# KiCad board PANEL_DRY_ELEC_6CH_THIN.kicad_pcb (continued)
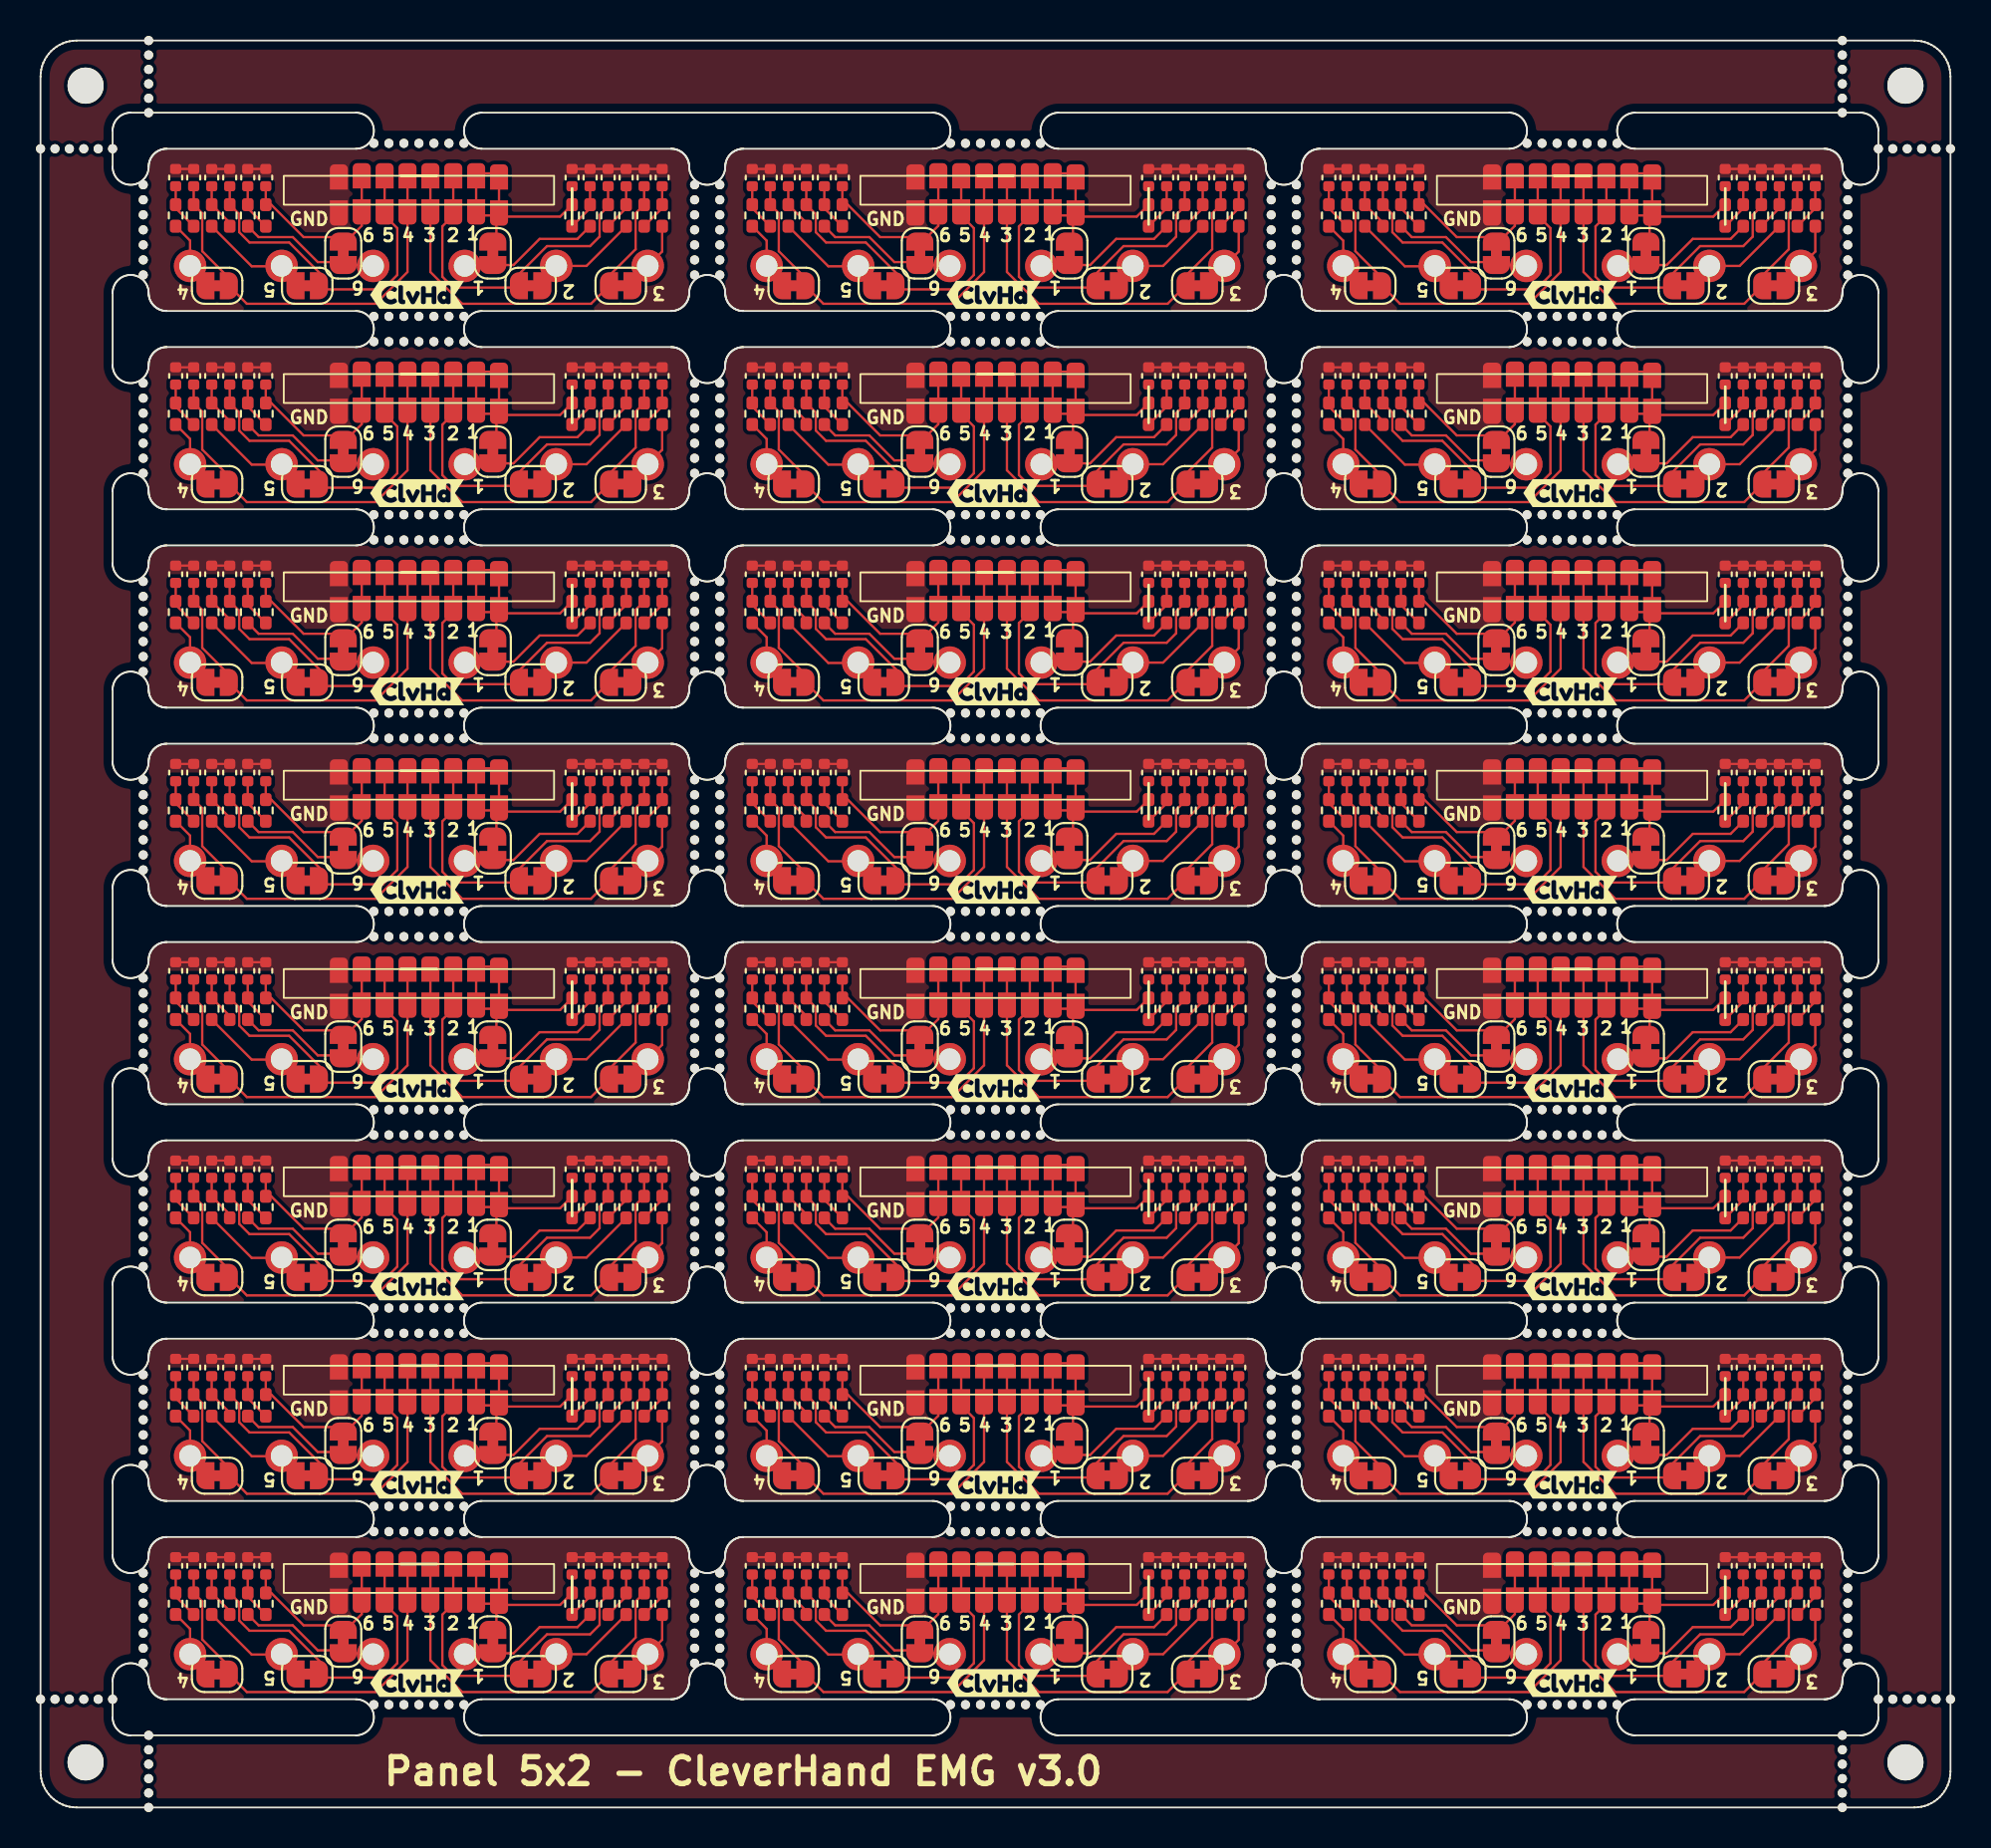
[diagram p0: board, top side]
## Placement (name value [footprint] x y rotation side) (continued)
J22#11  Conn_01x01_Pin  [Pin_D1.2mm_pogo]  50.46 63.5 0 top
J22#12  Conn_01x01_Pin  [Pin_D1.2mm_pogo]  82.46 19.5 0 top
J22#13  Conn_01x01_Pin  [Pin_D1.2mm_pogo]  50.46 52.5 0 top
J22#14  Conn_01x01_Pin  [Pin_D1.2mm_pogo]  50.46 74.5 0 top
J22#15  Conn_01x01_Pin  [Pin_D1.2mm_pogo]  82.46 8.5 0 top
J22#16  Conn_01x01_Pin  [Pin_D1.2mm_pogo]  82.46 30.5 0 top
J22#17  Conn_01x01_Pin  [Pin_D1.2mm_pogo]  50.46 8.5 0 top
J22#18  Conn_01x01_Pin  [Pin_D1.2mm_pogo]  82.46 41.5 0 top
J22#19  Conn_01x01_Pin  [Pin_D1.2mm_pogo]  50.46 41.5 0 top
J22#20  Conn_01x01_Pin  [Pin_D1.2mm_pogo]  18.46 74.5 0 top
J22#21  Conn_01x01_Pin  [Pin_D1.2mm_pogo]  82.46 63.5 0 top
J22#22  Conn_01x01_Pin  [Pin_D1.2mm_pogo]  18.46 19.5 0 top
J22#23  Conn_01x01_Pin  [Pin_D1.2mm_pogo]  18.46 41.5 0 top
J22#24  Conn_01x01_Pin  [Pin_D1.2mm_pogo]  82.46 74.5 0 top
JP1  SolderJumper_2_Bridged  [SolderJumper-2_P1.3mm_Bridged_RoundedPad1.0x1.5mm]  89.1 9.2 90 top
JP1#2  SolderJumper_2_Bridged  [SolderJumper-2_P1.3mm_Bridged_RoundedPad1.0x1.5mm]  89.1 75.2 90 top
JP1#3  SolderJumper_2_Bridged  [SolderJumper-2_P1.3mm_Bridged_RoundedPad1.0x1.5mm]  57.1 20.2 90 top
JP1#4  SolderJumper_2_Bridged  [SolderJumper-2_P1.3mm_Bridged_RoundedPad1.0x1.5mm]  25.1 9.2 90 top
JP1#5  SolderJumper_2_Bridged  [SolderJumper-2_P1.3mm_Bridged_RoundedPad1.0x1.5mm]  57.1 75.2 90 top
JP1#6  SolderJumper_2_Bridged  [SolderJumper-2_P1.3mm_Bridged_RoundedPad1.0x1.5mm]  89.1 31.2 90 top
JP1#7  SolderJumper_2_Bridged  [SolderJumper-2_P1.3mm_Bridged_RoundedPad1.0x1.5mm]  89.1 20.2 90 top
JP1#8  SolderJumper_2_Bridged  [SolderJumper-2_P1.3mm_Bridged_RoundedPad1.0x1.5mm]  89.1 86.2 90 top
JP1#9  SolderJumper_2_Bridged  [SolderJumper-2_P1.3mm_Bridged_RoundedPad1.0x1.5mm]  57.1 86.2 90 top
JP1#10  SolderJumper_2_Bridged  [SolderJumper-2_P1.3mm_Bridged_RoundedPad1.0x1.5mm]  57.1 31.2 90 top
JP1#11  SolderJumper_2_Bridged  [SolderJumper-2_P1.3mm_Bridged_RoundedPad1.0x1.5mm]  25.1 64.2 90 top
JP1#12  SolderJumper_2_Bridged  [SolderJumper-2_P1.3mm_Bridged_RoundedPad1.0x1.5mm]  89.1 64.2 90 top
JP1#13  SolderJumper_2_Bridged  [SolderJumper-2_P1.3mm_Bridged_RoundedPad1.0x1.5mm]  89.1 53.2 90 top
JP1#14  SolderJumper_2_Bridged  [SolderJumper-2_P1.3mm_Bridged_RoundedPad1.0x1.5mm]  25.1 86.2 90 top
JP1#15  SolderJumper_2_Bridged  [SolderJumper-2_P1.3mm_Bridged_RoundedPad1.0x1.5mm]  57.1 42.2 90 top
JP1#16  SolderJumper_2_Bridged  [SolderJumper-2_P1.3mm_Bridged_RoundedPad1.0x1.5mm]  89.1 42.2 90 top
JP1#17  SolderJumper_2_Bridged  [SolderJumper-2_P1.3mm_Bridged_RoundedPad1.0x1.5mm]  57.1 9.2 90 top
JP1#18  SolderJumper_2_Bridged  [SolderJumper-2_P1.3mm_Bridged_RoundedPad1.0x1.5mm]  25.1 20.2 90 top
JP1#19  SolderJumper_2_Bridged  [SolderJumper-2_P1.3mm_Bridged_RoundedPad1.0x1.5mm]  25.1 31.2 90 top
JP1#20  SolderJumper_2_Bridged  [SolderJumper-2_P1.3mm_Bridged_RoundedPad1.0x1.5mm]  25.1 75.2 90 top
JP1#21  SolderJumper_2_Bridged  [SolderJumper-2_P1.3mm_Bridged_RoundedPad1.0x1.5mm]  57.1 64.2 90 top
JP1#22  SolderJumper_2_Bridged  [SolderJumper-2_P1.3mm_Bridged_RoundedPad1.0x1.5mm]  25.1 53.2 90 top
JP1#23  SolderJumper_2_Bridged  [SolderJumper-2_P1.3mm_Bridged_RoundedPad1.0x1.5mm]  25.1 42.2 90 top
JP1#24  SolderJumper_2_Bridged  [SolderJumper-2_P1.3mm_Bridged_RoundedPad1.0x1.5mm]  57.1 53.2 90 top
JP2  SolderJumper_2_Bridged  [SolderJumper-2_P1.3mm_Bridged_RoundedPad1.0x1.5mm]  59.2 73.4 180 top
JP2#2  SolderJumper_2_Bridged  [SolderJumper-2_P1.3mm_Bridged_RoundedPad1.0x1.5mm]  91.2 51.4 180 top
JP2#3  SolderJumper_2_Bridged  [SolderJumper-2_P1.3mm_Bridged_RoundedPad1.0x1.5mm]  59.2 62.4 180 top
JP2#4  SolderJumper_2_Bridged  [SolderJumper-2_P1.3mm_Bridged_RoundedPad1.0x1.5mm]  27.2 40.4 180 top
JP2#5  SolderJumper_2_Bridged  [SolderJumper-2_P1.3mm_Bridged_RoundedPad1.0x1.5mm]  91.2 84.4 180 top
JP2#6  SolderJumper_2_Bridged  [SolderJumper-2_P1.3mm_Bridged_RoundedPad1.0x1.5mm]  27.2 84.4 180 top
JP2#7  SolderJumper_2_Bridged  [SolderJumper-2_P1.3mm_Bridged_RoundedPad1.0x1.5mm]  59.2 29.4 180 top
JP2#8  SolderJumper_2_Bridged  [SolderJumper-2_P1.3mm_Bridged_RoundedPad1.0x1.5mm]  59.2 18.4 180 top
JP2#9  SolderJumper_2_Bridged  [SolderJumper-2_P1.3mm_Bridged_RoundedPad1.0x1.5mm]  27.2 7.4 180 top
JP2#10  SolderJumper_2_Bridged  [SolderJumper-2_P1.3mm_Bridged_RoundedPad1.0x1.5mm]  59.2 51.4 180 top
JP2#11  SolderJumper_2_Bridged  [SolderJumper-2_P1.3mm_Bridged_RoundedPad1.0x1.5mm]  91.2 18.4 180 top
JP2#12  SolderJumper_2_Bridged  [SolderJumper-2_P1.3mm_Bridged_RoundedPad1.0x1.5mm]  27.2 51.4 180 top
JP2#13  SolderJumper_2_Bridged  [SolderJumper-2_P1.3mm_Bridged_RoundedPad1.0x1.5mm]  91.2 40.4 180 top
JP2#14  SolderJumper_2_Bridged  [SolderJumper-2_P1.3mm_Bridged_RoundedPad1.0x1.5mm]  59.2 7.4 180 top
JP2#15  SolderJumper_2_Bridged  [SolderJumper-2_P1.3mm_Bridged_RoundedPad1.0x1.5mm]  27.2 62.4 180 top
JP2#16  SolderJumper_2_Bridged  [SolderJumper-2_P1.3mm_Bridged_RoundedPad1.0x1.5mm]  27.2 29.4 180 top
JP2#17  SolderJumper_2_Bridged  [SolderJumper-2_P1.3mm_Bridged_RoundedPad1.0x1.5mm]  27.2 18.4 180 top
JP2#18  SolderJumper_2_Bridged  [SolderJumper-2_P1.3mm_Bridged_RoundedPad1.0x1.5mm]  59.2 84.4 180 top
JP2#19  SolderJumper_2_Bridged  [SolderJumper-2_P1.3mm_Bridged_RoundedPad1.0x1.5mm]  91.2 29.4 180 top
JP2#20  SolderJumper_2_Bridged  [SolderJumper-2_P1.3mm_Bridged_RoundedPad1.0x1.5mm]  91.2 7.4 180 top
JP2#21  SolderJumper_2_Bridged  [SolderJumper-2_P1.3mm_Bridged_RoundedPad1.0x1.5mm]  91.2 62.4 180 top
JP2#22  SolderJumper_2_Bridged  [SolderJumper-2_P1.3mm_Bridged_RoundedPad1.0x1.5mm]  27.2 73.4 180 top
JP2#23  SolderJumper_2_Bridged  [SolderJumper-2_P1.3mm_Bridged_RoundedPad1.0x1.5mm]  59.2 40.4 180 top
JP2#24  SolderJumper_2_Bridged  [SolderJumper-2_P1.3mm_Bridged_RoundedPad1.0x1.5mm]  91.2 73.4 180 top
JP3  SolderJumper_2_Bridged  [SolderJumper-2_P1.3mm_Bridged_RoundedPad1.0x1.5mm]  64.2 84.4 180 top
JP3#2  SolderJumper_2_Bridged  [SolderJumper-2_P1.3mm_Bridged_RoundedPad1.0x1.5mm]  64.2 73.4 180 top
JP3#3  SolderJumper_2_Bridged  [SolderJumper-2_P1.3mm_Bridged_RoundedPad1.0x1.5mm]  64.2 7.4 180 top
JP3#4  SolderJumper_2_Bridged  [SolderJumper-2_P1.3mm_Bridged_RoundedPad1.0x1.5mm]  96.2 51.4 180 top
JP3#5  SolderJumper_2_Bridged  [SolderJumper-2_P1.3mm_Bridged_RoundedPad1.0x1.5mm]  32.2 18.4 180 top
JP3#6  SolderJumper_2_Bridged  [SolderJumper-2_P1.3mm_Bridged_RoundedPad1.0x1.5mm]  32.2 84.4 180 top
JP3#7  SolderJumper_2_Bridged  [SolderJumper-2_P1.3mm_Bridged_RoundedPad1.0x1.5mm]  96.2 62.4 180 top
JP3#8  SolderJumper_2_Bridged  [SolderJumper-2_P1.3mm_Bridged_RoundedPad1.0x1.5mm]  96.2 29.4 180 top
JP3#9  SolderJumper_2_Bridged  [SolderJumper-2_P1.3mm_Bridged_RoundedPad1.0x1.5mm]  32.2 7.4 180 top
JP3#10  SolderJumper_2_Bridged  [SolderJumper-2_P1.3mm_Bridged_RoundedPad1.0x1.5mm]  96.2 18.4 180 top
JP3#11  SolderJumper_2_Bridged  [SolderJumper-2_P1.3mm_Bridged_RoundedPad1.0x1.5mm]  96.2 84.4 180 top
JP3#12  SolderJumper_2_Bridged  [SolderJumper-2_P1.3mm_Bridged_RoundedPad1.0x1.5mm]  96.2 40.4 180 top
JP3#13  SolderJumper_2_Bridged  [SolderJumper-2_P1.3mm_Bridged_RoundedPad1.0x1.5mm]  64.2 62.4 180 top
JP3#14  SolderJumper_2_Bridged  [SolderJumper-2_P1.3mm_Bridged_RoundedPad1.0x1.5mm]  96.2 7.4 180 top
JP3#15  SolderJumper_2_Bridged  [SolderJumper-2_P1.3mm_Bridged_RoundedPad1.0x1.5mm]  64.2 40.4 180 top
JP3#16  SolderJumper_2_Bridged  [SolderJumper-2_P1.3mm_Bridged_RoundedPad1.0x1.5mm]  32.2 40.4 180 top
JP3#17  SolderJumper_2_Bridged  [SolderJumper-2_P1.3mm_Bridged_RoundedPad1.0x1.5mm]  32.2 29.4 180 top
JP3#18  SolderJumper_2_Bridged  [SolderJumper-2_P1.3mm_Bridged_RoundedPad1.0x1.5mm]  64.2 29.4 180 top
JP3#19  SolderJumper_2_Bridged  [SolderJumper-2_P1.3mm_Bridged_RoundedPad1.0x1.5mm]  64.2 18.4 180 top
JP3#20  SolderJumper_2_Bridged  [SolderJumper-2_P1.3mm_Bridged_RoundedPad1.0x1.5mm]  32.2 73.4 180 top
JP3#21  SolderJumper_2_Bridged  [SolderJumper-2_P1.3mm_Bridged_RoundedPad1.0x1.5mm]  32.2 51.4 180 top
JP3#22  SolderJumper_2_Bridged  [SolderJumper-2_P1.3mm_Bridged_RoundedPad1.0x1.5mm]  64.2 51.4 180 top
JP3#23  SolderJumper_2_Bridged  [SolderJumper-2_P1.3mm_Bridged_RoundedPad1.0x1.5mm]  32.2 62.4 180 top
JP3#24  SolderJumper_2_Bridged  [SolderJumper-2_P1.3mm_Bridged_RoundedPad1.0x1.5mm]  96.2 73.4 180 top
JP4  SolderJumper_2_Bridged  [SolderJumper-2_P1.3mm_Bridged_RoundedPad1.0x1.5mm]  73.8 51.4 0 top
JP4#2  SolderJumper_2_Bridged  [SolderJumper-2_P1.3mm_Bridged_RoundedPad1.0x1.5mm]  9.8 73.4 0 top
JP4#3  SolderJumper_2_Bridged  [SolderJumper-2_P1.3mm_Bridged_RoundedPad1.0x1.5mm]  73.8 7.4 0 top
JP4#4  SolderJumper_2_Bridged  [SolderJumper-2_P1.3mm_Bridged_RoundedPad1.0x1.5mm]  41.8 18.4 0 top
JP4#5  SolderJumper_2_Bridged  [SolderJumper-2_P1.3mm_Bridged_RoundedPad1.0x1.5mm]  9.8 62.4 0 top
JP4#6  SolderJumper_2_Bridged  [SolderJumper-2_P1.3mm_Bridged_RoundedPad1.0x1.5mm]  41.8 7.4 0 top
JP4#7  SolderJumper_2_Bridged  [SolderJumper-2_P1.3mm_Bridged_RoundedPad1.0x1.5mm]  73.8 84.4 0 top
JP4#8  SolderJumper_2_Bridged  [SolderJumper-2_P1.3mm_Bridged_RoundedPad1.0x1.5mm]  73.8 40.4 0 top
JP4#9  SolderJumper_2_Bridged  [SolderJumper-2_P1.3mm_Bridged_RoundedPad1.0x1.5mm]  41.8 29.4 0 top
JP4#10  SolderJumper_2_Bridged  [SolderJumper-2_P1.3mm_Bridged_RoundedPad1.0x1.5mm]  73.8 29.4 0 top
JP4#11  SolderJumper_2_Bridged  [SolderJumper-2_P1.3mm_Bridged_RoundedPad1.0x1.5mm]  73.8 73.4 0 top
JP4#12  SolderJumper_2_Bridged  [SolderJumper-2_P1.3mm_Bridged_RoundedPad1.0x1.5mm]  73.8 62.4 0 top
JP4#13  SolderJumper_2_Bridged  [SolderJumper-2_P1.3mm_Bridged_RoundedPad1.0x1.5mm]  41.8 62.4 0 top
JP4#14  SolderJumper_2_Bridged  [SolderJumper-2_P1.3mm_Bridged_RoundedPad1.0x1.5mm]  73.8 18.4 0 top
JP4#15  SolderJumper_2_Bridged  [SolderJumper-2_P1.3mm_Bridged_RoundedPad1.0x1.5mm]  9.8 7.4 0 top
JP4#16  SolderJumper_2_Bridged  [SolderJumper-2_P1.3mm_Bridged_RoundedPad1.0x1.5mm]  9.8 18.4 0 top
JP4#17  SolderJumper_2_Bridged  [SolderJumper-2_P1.3mm_Bridged_RoundedPad1.0x1.5mm]  9.8 84.4 0 top
JP4#18  SolderJumper_2_Bridged  [SolderJumper-2_P1.3mm_Bridged_RoundedPad1.0x1.5mm]  41.8 73.4 0 top
JP4#19  SolderJumper_2_Bridged  [SolderJumper-2_P1.3mm_Bridged_RoundedPad1.0x1.5mm]  41.8 40.4 0 top
JP4#20  SolderJumper_2_Bridged  [SolderJumper-2_P1.3mm_Bridged_RoundedPad1.0x1.5mm]  41.8 51.4 0 top
JP4#21  SolderJumper_2_Bridged  [SolderJumper-2_P1.3mm_Bridged_RoundedPad1.0x1.5mm]  9.8 40.4 0 top
JP4#22  SolderJumper_2_Bridged  [SolderJumper-2_P1.3mm_Bridged_RoundedPad1.0x1.5mm]  41.8 84.4 0 top
JP4#23  SolderJumper_2_Bridged  [SolderJumper-2_P1.3mm_Bridged_RoundedPad1.0x1.5mm]  9.8 51.4 0 top
JP4#24  SolderJumper_2_Bridged  [SolderJumper-2_P1.3mm_Bridged_RoundedPad1.0x1.5mm]  9.8 29.4 0 top
JP5  SolderJumper_2_Bridged  [SolderJumper-2_P1.3mm_Bridged_RoundedPad1.0x1.5mm]  46.8 73.4 0 top
JP5#2  SolderJumper_2_Bridged  [SolderJumper-2_P1.3mm_Bridged_RoundedPad1.0x1.5mm]  78.8 51.4 0 top
JP5#3  SolderJumper_2_Bridged  [SolderJumper-2_P1.3mm_Bridged_RoundedPad1.0x1.5mm]  46.8 62.4 0 top
JP5#4  SolderJumper_2_Bridged  [SolderJumper-2_P1.3mm_Bridged_RoundedPad1.0x1.5mm]  14.8 62.4 0 top
JP5#5  SolderJumper_2_Bridged  [SolderJumper-2_P1.3mm_Bridged_RoundedPad1.0x1.5mm]  14.8 29.4 0 top
JP5#6  SolderJumper_2_Bridged  [SolderJumper-2_P1.3mm_Bridged_RoundedPad1.0x1.5mm]  46.8 29.4 0 top
JP5#7  SolderJumper_2_Bridged  [SolderJumper-2_P1.3mm_Bridged_RoundedPad1.0x1.5mm]  78.8 73.4 0 top
JP5#8  SolderJumper_2_Bridged  [SolderJumper-2_P1.3mm_Bridged_RoundedPad1.0x1.5mm]  78.8 40.4 0 top
JP5#9  SolderJumper_2_Bridged  [SolderJumper-2_P1.3mm_Bridged_RoundedPad1.0x1.5mm]  78.8 62.4 0 top
JP5#10  SolderJumper_2_Bridged  [SolderJumper-2_P1.3mm_Bridged_RoundedPad1.0x1.5mm]  14.8 40.4 0 top
JP5#11  SolderJumper_2_Bridged  [SolderJumper-2_P1.3mm_Bridged_RoundedPad1.0x1.5mm]  46.8 51.4 0 top
JP5#12  SolderJumper_2_Bridged  [SolderJumper-2_P1.3mm_Bridged_RoundedPad1.0x1.5mm]  46.8 18.4 0 top
JP5#13  SolderJumper_2_Bridged  [SolderJumper-2_P1.3mm_Bridged_RoundedPad1.0x1.5mm]  46.8 84.4 0 top
JP5#14  SolderJumper_2_Bridged  [SolderJumper-2_P1.3mm_Bridged_RoundedPad1.0x1.5mm]  14.8 7.4 0 top
JP5#15  SolderJumper_2_Bridged  [SolderJumper-2_P1.3mm_Bridged_RoundedPad1.0x1.5mm]  14.8 18.4 0 top
JP5#16  SolderJumper_2_Bridged  [SolderJumper-2_P1.3mm_Bridged_RoundedPad1.0x1.5mm]  78.8 84.4 0 top
JP5#17  SolderJumper_2_Bridged  [SolderJumper-2_P1.3mm_Bridged_RoundedPad1.0x1.5mm]  46.8 7.4 0 top
JP5#18  SolderJumper_2_Bridged  [SolderJumper-2_P1.3mm_Bridged_RoundedPad1.0x1.5mm]  78.8 29.4 0 top
JP5#19  SolderJumper_2_Bridged  [SolderJumper-2_P1.3mm_Bridged_RoundedPad1.0x1.5mm]  14.8 84.4 0 top
JP5#20  SolderJumper_2_Bridged  [SolderJumper-2_P1.3mm_Bridged_RoundedPad1.0x1.5mm]  78.8 18.4 0 top
JP5#21  SolderJumper_2_Bridged  [SolderJumper-2_P1.3mm_Bridged_RoundedPad1.0x1.5mm]  14.8 73.4 0 top
JP5#22  SolderJumper_2_Bridged  [SolderJumper-2_P1.3mm_Bridged_RoundedPad1.0x1.5mm]  78.8 7.4 0 top
JP5#23  SolderJumper_2_Bridged  [SolderJumper-2_P1.3mm_Bridged_RoundedPad1.0x1.5mm]  14.8 51.4 0 top
JP5#24  SolderJumper_2_Bridged  [SolderJumper-2_P1.3mm_Bridged_RoundedPad1.0x1.5mm]  46.8 40.4 0 top
JP6  SolderJumper_2_Bridged  [SolderJumper-2_P1.3mm_Bridged_RoundedPad1.0x1.5mm]  48.8 53.2 90 top
JP6#2  SolderJumper_2_Bridged  [SolderJumper-2_P1.3mm_Bridged_RoundedPad1.0x1.5mm]  16.8 86.2 90 top
JP6#3  SolderJumper_2_Bridged  [SolderJumper-2_P1.3mm_Bridged_RoundedPad1.0x1.5mm]  48.8 64.2 90 top
JP6#4  SolderJumper_2_Bridged  [SolderJumper-2_P1.3mm_Bridged_RoundedPad1.0x1.5mm]  80.8 75.2 90 top
JP6#5  SolderJumper_2_Bridged  [SolderJumper-2_P1.3mm_Bridged_RoundedPad1.0x1.5mm]  80.8 64.2 90 top
JP6#6  SolderJumper_2_Bridged  [SolderJumper-2_P1.3mm_Bridged_RoundedPad1.0x1.5mm]  80.8 42.2 90 top
JP6#7  SolderJumper_2_Bridged  [SolderJumper-2_P1.3mm_Bridged_RoundedPad1.0x1.5mm]  80.8 53.2 90 top
JP6#8  SolderJumper_2_Bridged  [SolderJumper-2_P1.3mm_Bridged_RoundedPad1.0x1.5mm]  16.8 53.2 90 top
JP6#9  SolderJumper_2_Bridged  [SolderJumper-2_P1.3mm_Bridged_RoundedPad1.0x1.5mm]  80.8 86.2 90 top
JP6#10  SolderJumper_2_Bridged  [SolderJumper-2_P1.3mm_Bridged_RoundedPad1.0x1.5mm]  80.8 31.2 90 top
JP6#11  SolderJumper_2_Bridged  [SolderJumper-2_P1.3mm_Bridged_RoundedPad1.0x1.5mm]  16.8 75.2 90 top
JP6#12  SolderJumper_2_Bridged  [SolderJumper-2_P1.3mm_Bridged_RoundedPad1.0x1.5mm]  48.8 86.2 90 top
JP6#13  SolderJumper_2_Bridged  [SolderJumper-2_P1.3mm_Bridged_RoundedPad1.0x1.5mm]  48.8 31.2 90 top
JP6#14  SolderJumper_2_Bridged  [SolderJumper-2_P1.3mm_Bridged_RoundedPad1.0x1.5mm]  48.8 75.2 90 top
JP6#15  SolderJumper_2_Bridged  [SolderJumper-2_P1.3mm_Bridged_RoundedPad1.0x1.5mm]  16.8 64.2 90 top
JP6#16  SolderJumper_2_Bridged  [SolderJumper-2_P1.3mm_Bridged_RoundedPad1.0x1.5mm]  80.8 9.2 90 top
JP6#17  SolderJumper_2_Bridged  [SolderJumper-2_P1.3mm_Bridged_RoundedPad1.0x1.5mm]  16.8 9.2 90 top
JP6#18  SolderJumper_2_Bridged  [SolderJumper-2_P1.3mm_Bridged_RoundedPad1.0x1.5mm]  16.8 20.2 90 top
JP6#19  SolderJumper_2_Bridged  [SolderJumper-2_P1.3mm_Bridged_RoundedPad1.0x1.5mm]  16.8 31.2 90 top
JP6#20  SolderJumper_2_Bridged  [SolderJumper-2_P1.3mm_Bridged_RoundedPad1.0x1.5mm]  48.8 20.2 90 top
JP6#21  SolderJumper_2_Bridged  [SolderJumper-2_P1.3mm_Bridged_RoundedPad1.0x1.5mm]  48.8 9.2 90 top
JP6#22  SolderJumper_2_Bridged  [SolderJumper-2_P1.3mm_Bridged_RoundedPad1.0x1.5mm]  80.8 20.2 90 top
JP6#23  SolderJumper_2_Bridged  [SolderJumper-2_P1.3mm_Bridged_RoundedPad1.0x1.5mm]  16.8 42.2 90 top
JP6#24  SolderJumper_2_Bridged  [SolderJumper-2_P1.3mm_Bridged_RoundedPad1.0x1.5mm]  48.8 42.2 90 top
kibuzzard-66BB0EE4  G***  [kibuzzard-66BB0EE4]  84.9 28.9 0 top
kibuzzard-66BB0EE4#2  G***  [kibuzzard-66BB0EE4]  52.9 39.9 0 top
kibuzzard-66BB0EE4#3  G***  [kibuzzard-66BB0EE4]  84.9 39.9 0 top
kibuzzard-66BB0EE4#4  G***  [kibuzzard-66BB0EE4]  20.9 39.9 0 top
kibuzzard-66BB0EE4#5  G***  [kibuzzard-66BB0EE4]  84.9 50.9 0 top
kibuzzard-66BB0EE4#6  G***  [kibuzzard-66BB0EE4]  52.9 83.9 0 top
kibuzzard-66BB0EE4#7  G***  [kibuzzard-66BB0EE4]  52.9 17.9 0 top
kibuzzard-66BB0EE4#8  G***  [kibuzzard-66BB0EE4]  20.9 83.9 0 top
kibuzzard-66BB0EE4#9  G***  [kibuzzard-66BB0EE4]  20.9 50.9 0 top
kibuzzard-66BB0EE4#10  G***  [kibuzzard-66BB0EE4]  84.9 61.9 0 top
kibuzzard-66BB0EE4#11  G***  [kibuzzard-66BB0EE4]  84.9 72.9 0 top
kibuzzard-66BB0EE4#12  G***  [kibuzzard-66BB0EE4]  52.9 50.9 0 top
kibuzzard-66BB0EE4#13  G***  [kibuzzard-66BB0EE4]  20.9 17.9 0 top
kibuzzard-66BB0EE4#14  G***  [kibuzzard-66BB0EE4]  52.9 6.9 0 top
kibuzzard-66BB0EE4#15  G***  [kibuzzard-66BB0EE4]  52.9 61.9 0 top
kibuzzard-66BB0EE4#16  G***  [kibuzzard-66BB0EE4]  52.9 72.9 0 top
kibuzzard-66BB0EE4#17  G***  [kibuzzard-66BB0EE4]  20.9 6.9 0 top
kibuzzard-66BB0EE4#18  G***  [kibuzzard-66BB0EE4]  20.9 72.9 0 top
kibuzzard-66BB0EE4#19  G***  [kibuzzard-66BB0EE4]  20.9 28.9 0 top
kibuzzard-66BB0EE4#20  G***  [kibuzzard-66BB0EE4]  84.9 17.9 0 top
kibuzzard-66BB0EE4#21  G***  [kibuzzard-66BB0EE4]  20.9 61.9 0 top
kibuzzard-66BB0EE4#22  G***  [kibuzzard-66BB0EE4]  52.9 28.9 0 top
kibuzzard-66BB0EE4#23  G***  [kibuzzard-66BB0EE4]  84.9 6.9 0 top
kibuzzard-66BB0EE4#24  G***  [kibuzzard-66BB0EE4]  84.9 83.9 0 top
KiKit_MB_1_1  -  [NPTH]  5.7 85 0 top
KiKit_MB_1_2  -  [NPTH]  5.7 85.83 0 top
KiKit_MB_1_3  -  [NPTH]  5.7 86.67 0 top
KiKit_MB_1_4  -  [NPTH]  5.7 87.5 0 top
KiKit_MB_1_5  -  [NPTH]  5.7 88.33 0 top
KiKit_MB_1_6  -  [NPTH]  5.7 89.17 0 top
KiKit_MB_1_7  -  [NPTH]  5.7 90 0 top
KiKit_MB_2_1  -  [NPTH]  36.3 90 0 top
KiKit_MB_2_2  -  [NPTH]  36.3 89.17 0 top
KiKit_MB_2_3  -  [NPTH]  36.3 88.33 0 top
KiKit_MB_2_4  -  [NPTH]  36.3 87.5 0 top
KiKit_MB_2_5  -  [NPTH]  36.3 86.67 0 top
KiKit_MB_2_6  -  [NPTH]  36.3 85.83 0 top
KiKit_MB_2_7  -  [NPTH]  36.3 85 0 top
KiKit_MB_3_1  -  [NPTH]  18.5 92.3 0 top
KiKit_MB_3_2  -  [NPTH]  19.33 92.3 0 top
KiKit_MB_3_3  -  [NPTH]  20.17 92.3 0 top
KiKit_MB_3_4  -  [NPTH]  21 92.3 0 top
KiKit_MB_3_5  -  [NPTH]  21.83 92.3 0 top
KiKit_MB_3_6  -  [NPTH]  22.67 92.3 0 top
KiKit_MB_3_7  -  [NPTH]  23.5 92.3 0 top
KiKit_MB_4_1  -  [NPTH]  23.5 82.7 0 top
KiKit_MB_4_2  -  [NPTH]  22.67 82.7 0 top
KiKit_MB_4_3  -  [NPTH]  21.83 82.7 0 top
KiKit_MB_4_4  -  [NPTH]  21 82.7 0 top
KiKit_MB_4_5  -  [NPTH]  20.17 82.7 0 top
KiKit_MB_4_6  -  [NPTH]  19.33 82.7 0 top
KiKit_MB_4_7  -  [NPTH]  18.5 82.7 0 top
KiKit_MB_5_1  -  [NPTH]  37.7 85 0 top
KiKit_MB_5_2  -  [NPTH]  37.7 85.83 0 top
KiKit_MB_5_3  -  [NPTH]  37.7 86.67 0 top
KiKit_MB_5_4  -  [NPTH]  37.7 87.5 0 top
KiKit_MB_5_5  -  [NPTH]  37.7 88.33 0 top
KiKit_MB_5_6  -  [NPTH]  37.7 89.17 0 top
KiKit_MB_5_7  -  [NPTH]  37.7 90 0 top
KiKit_MB_6_1  -  [NPTH]  68.3 90 0 top
KiKit_MB_6_2  -  [NPTH]  68.3 89.17 0 top
KiKit_MB_6_3  -  [NPTH]  68.3 88.33 0 top
KiKit_MB_6_4  -  [NPTH]  68.3 87.5 0 top
KiKit_MB_6_5  -  [NPTH]  68.3 86.67 0 top
KiKit_MB_6_6  -  [NPTH]  68.3 85.83 0 top
KiKit_MB_6_7  -  [NPTH]  68.3 85 0 top
KiKit_MB_7_1  -  [NPTH]  50.5 92.3 0 top
KiKit_MB_7_2  -  [NPTH]  51.33 92.3 0 top
KiKit_MB_7_3  -  [NPTH]  52.17 92.3 0 top
KiKit_MB_7_4  -  [NPTH]  53 92.3 0 top
KiKit_MB_7_5  -  [NPTH]  53.83 92.3 0 top
KiKit_MB_7_6  -  [NPTH]  54.67 92.3 0 top
KiKit_MB_7_7  -  [NPTH]  55.5 92.3 0 top
KiKit_MB_8_1  -  [NPTH]  55.5 82.7 0 top
KiKit_MB_8_2  -  [NPTH]  54.67 82.7 0 top
KiKit_MB_8_3  -  [NPTH]  53.83 82.7 0 top
KiKit_MB_8_4  -  [NPTH]  53 82.7 0 top
KiKit_MB_8_5  -  [NPTH]  52.17 82.7 0 top
KiKit_MB_8_6  -  [NPTH]  51.33 82.7 0 top
KiKit_MB_8_7  -  [NPTH]  50.5 82.7 0 top
KiKit_MB_9_1  -  [NPTH]  69.7 85 0 top
KiKit_MB_9_2  -  [NPTH]  69.7 85.83 0 top
KiKit_MB_9_3  -  [NPTH]  69.7 86.67 0 top
KiKit_MB_9_4  -  [NPTH]  69.7 87.5 0 top
KiKit_MB_9_5  -  [NPTH]  69.7 88.33 0 top
KiKit_MB_9_6  -  [NPTH]  69.7 89.17 0 top
KiKit_MB_9_7  -  [NPTH]  69.7 90 0 top
KiKit_MB_10_1  -  [NPTH]  100.3 90 0 top
KiKit_MB_10_2  -  [NPTH]  100.3 89.17 0 top
KiKit_MB_10_3  -  [NPTH]  100.3 88.33 0 top
KiKit_MB_10_4  -  [NPTH]  100.3 87.5 0 top
KiKit_MB_10_5  -  [NPTH]  100.3 86.67 0 top
KiKit_MB_10_6  -  [NPTH]  100.3 85.83 0 top
KiKit_MB_10_7  -  [NPTH]  100.3 85 0 top
KiKit_MB_11_1  -  [NPTH]  82.5 92.3 0 top
KiKit_MB_11_2  -  [NPTH]  83.33 92.3 0 top
KiKit_MB_11_3  -  [NPTH]  84.17 92.3 0 top
KiKit_MB_11_4  -  [NPTH]  85 92.3 0 top
KiKit_MB_11_5  -  [NPTH]  85.83 92.3 0 top
KiKit_MB_11_6  -  [NPTH]  86.67 92.3 0 top
KiKit_MB_11_7  -  [NPTH]  87.5 92.3 0 top
KiKit_MB_12_1  -  [NPTH]  87.5 82.7 0 top
KiKit_MB_12_2  -  [NPTH]  86.67 82.7 0 top
KiKit_MB_12_3  -  [NPTH]  85.83 82.7 0 top
KiKit_MB_12_4  -  [NPTH]  85 82.7 0 top
KiKit_MB_12_5  -  [NPTH]  84.17 82.7 0 top
KiKit_MB_12_6  -  [NPTH]  83.33 82.7 0 top
KiKit_MB_12_7  -  [NPTH]  82.5 82.7 0 top
KiKit_MB_13_1  -  [NPTH]  5.7 74 0 top
KiKit_MB_13_2  -  [NPTH]  5.7 74.83 0 top
KiKit_MB_13_3  -  [NPTH]  5.7 75.67 0 top
KiKit_MB_13_4  -  [NPTH]  5.7 76.5 0 top
KiKit_MB_13_5  -  [NPTH]  5.7 77.33 0 top
KiKit_MB_13_6  -  [NPTH]  5.7 78.17 0 top
KiKit_MB_13_7  -  [NPTH]  5.7 79 0 top
KiKit_MB_14_1  -  [NPTH]  36.3 79 0 top
KiKit_MB_14_2  -  [NPTH]  36.3 78.17 0 top
KiKit_MB_14_3  -  [NPTH]  36.3 77.33 0 top
KiKit_MB_14_4  -  [NPTH]  36.3 76.5 0 top
KiKit_MB_14_5  -  [NPTH]  36.3 75.67 0 top
KiKit_MB_14_6  -  [NPTH]  36.3 74.83 0 top
KiKit_MB_14_7  -  [NPTH]  36.3 74 0 top
KiKit_MB_15_1  -  [NPTH]  18.5 81.3 0 top
KiKit_MB_15_2  -  [NPTH]  19.33 81.3 0 top
KiKit_MB_15_3  -  [NPTH]  20.17 81.3 0 top
KiKit_MB_15_4  -  [NPTH]  21 81.3 0 top
KiKit_MB_15_5  -  [NPTH]  21.83 81.3 0 top
KiKit_MB_15_6  -  [NPTH]  22.67 81.3 0 top
KiKit_MB_15_7  -  [NPTH]  23.5 81.3 0 top
KiKit_MB_16_1  -  [NPTH]  23.5 71.7 0 top
KiKit_MB_16_2  -  [NPTH]  22.67 71.7 0 top
KiKit_MB_16_3  -  [NPTH]  21.83 71.7 0 top
KiKit_MB_16_4  -  [NPTH]  21 71.7 0 top
KiKit_MB_16_5  -  [NPTH]  20.17 71.7 0 top
KiKit_MB_16_6  -  [NPTH]  19.33 71.7 0 top
KiKit_MB_16_7  -  [NPTH]  18.5 71.7 0 top
KiKit_MB_17_1  -  [NPTH]  37.7 74 0 top
KiKit_MB_17_2  -  [NPTH]  37.7 74.83 0 top
KiKit_MB_17_3  -  [NPTH]  37.7 75.67 0 top
KiKit_MB_17_4  -  [NPTH]  37.7 76.5 0 top
KiKit_MB_17_5  -  [NPTH]  37.7 77.33 0 top
KiKit_MB_17_6  -  [NPTH]  37.7 78.17 0 top
KiKit_MB_17_7  -  [NPTH]  37.7 79 0 top
KiKit_MB_18_1  -  [NPTH]  68.3 79 0 top
KiKit_MB_18_2  -  [NPTH]  68.3 78.17 0 top
KiKit_MB_18_3  -  [NPTH]  68.3 77.33 0 top
KiKit_MB_18_4  -  [NPTH]  68.3 76.5 0 top
KiKit_MB_18_5  -  [NPTH]  68.3 75.67 0 top
KiKit_MB_18_6  -  [NPTH]  68.3 74.83 0 top
KiKit_MB_18_7  -  [NPTH]  68.3 74 0 top
KiKit_MB_19_1  -  [NPTH]  50.5 81.3 0 top
KiKit_MB_19_2  -  [NPTH]  51.33 81.3 0 top
KiKit_MB_19_3  -  [NPTH]  52.17 81.3 0 top
KiKit_MB_19_4  -  [NPTH]  53 81.3 0 top
KiKit_MB_19_5  -  [NPTH]  53.83 81.3 0 top
KiKit_MB_19_6  -  [NPTH]  54.67 81.3 0 top
KiKit_MB_19_7  -  [NPTH]  55.5 81.3 0 top
KiKit_MB_20_1  -  [NPTH]  55.5 71.7 0 top
KiKit_MB_20_2  -  [NPTH]  54.67 71.7 0 top
KiKit_MB_20_3  -  [NPTH]  53.83 71.7 0 top
KiKit_MB_20_4  -  [NPTH]  53 71.7 0 top
KiKit_MB_20_5  -  [NPTH]  52.17 71.7 0 top
KiKit_MB_20_6  -  [NPTH]  51.33 71.7 0 top
KiKit_MB_20_7  -  [NPTH]  50.5 71.7 0 top
KiKit_MB_21_1  -  [NPTH]  69.7 74 0 top
KiKit_MB_21_2  -  [NPTH]  69.7 74.83 0 top
KiKit_MB_21_3  -  [NPTH]  69.7 75.67 0 top
KiKit_MB_21_4  -  [NPTH]  69.7 76.5 0 top
KiKit_MB_21_5  -  [NPTH]  69.7 77.33 0 top
KiKit_MB_21_6  -  [NPTH]  69.7 78.17 0 top
KiKit_MB_21_7  -  [NPTH]  69.7 79 0 top
KiKit_MB_22_1  -  [NPTH]  100.3 79 0 top
KiKit_MB_22_2  -  [NPTH]  100.3 78.17 0 top
KiKit_MB_22_3  -  [NPTH]  100.3 77.33 0 top
KiKit_MB_22_4  -  [NPTH]  100.3 76.5 0 top
KiKit_MB_22_5  -  [NPTH]  100.3 75.67 0 top
KiKit_MB_22_6  -  [NPTH]  100.3 74.83 0 top
KiKit_MB_22_7  -  [NPTH]  100.3 74 0 top
KiKit_MB_23_1  -  [NPTH]  82.5 81.3 0 top
KiKit_MB_23_2  -  [NPTH]  83.33 81.3 0 top
KiKit_MB_23_3  -  [NPTH]  84.17 81.3 0 top
KiKit_MB_23_4  -  [NPTH]  85 81.3 0 top
KiKit_MB_23_5  -  [NPTH]  85.83 81.3 0 top
KiKit_MB_23_6  -  [NPTH]  86.67 81.3 0 top
KiKit_MB_23_7  -  [NPTH]  87.5 81.3 0 top
KiKit_MB_24_1  -  [NPTH]  87.5 71.7 0 top
KiKit_MB_24_2  -  [NPTH]  86.67 71.7 0 top
KiKit_MB_24_3  -  [NPTH]  85.83 71.7 0 top
KiKit_MB_24_4  -  [NPTH]  85 71.7 0 top
KiKit_MB_24_5  -  [NPTH]  84.17 71.7 0 top
KiKit_MB_24_6  -  [NPTH]  83.33 71.7 0 top
KiKit_MB_24_7  -  [NPTH]  82.5 71.7 0 top
KiKit_MB_25_1  -  [NPTH]  5.7 63 0 top
KiKit_MB_25_2  -  [NPTH]  5.7 63.83 0 top
KiKit_MB_25_3  -  [NPTH]  5.7 64.67 0 top
KiKit_MB_25_4  -  [NPTH]  5.7 65.5 0 top
KiKit_MB_25_5  -  [NPTH]  5.7 66.33 0 top
KiKit_MB_25_6  -  [NPTH]  5.7 67.17 0 top
KiKit_MB_25_7  -  [NPTH]  5.7 68 0 top
KiKit_MB_26_1  -  [NPTH]  36.3 68 0 top
KiKit_MB_26_2  -  [NPTH]  36.3 67.17 0 top
KiKit_MB_26_3  -  [NPTH]  36.3 66.33 0 top
KiKit_MB_26_4  -  [NPTH]  36.3 65.5 0 top
KiKit_MB_26_5  -  [NPTH]  36.3 64.67 0 top
KiKit_MB_26_6  -  [NPTH]  36.3 63.83 0 top
KiKit_MB_26_7  -  [NPTH]  36.3 63 0 top
KiKit_MB_27_1  -  [NPTH]  18.5 70.3 0 top
KiKit_MB_27_2  -  [NPTH]  19.33 70.3 0 top
KiKit_MB_27_3  -  [NPTH]  20.17 70.3 0 top
KiKit_MB_27_4  -  [NPTH]  21 70.3 0 top
KiKit_MB_27_5  -  [NPTH]  21.83 70.3 0 top
KiKit_MB_27_6  -  [NPTH]  22.67 70.3 0 top